# KiCad board paws-60-pcb.kicad_pcb (continued)
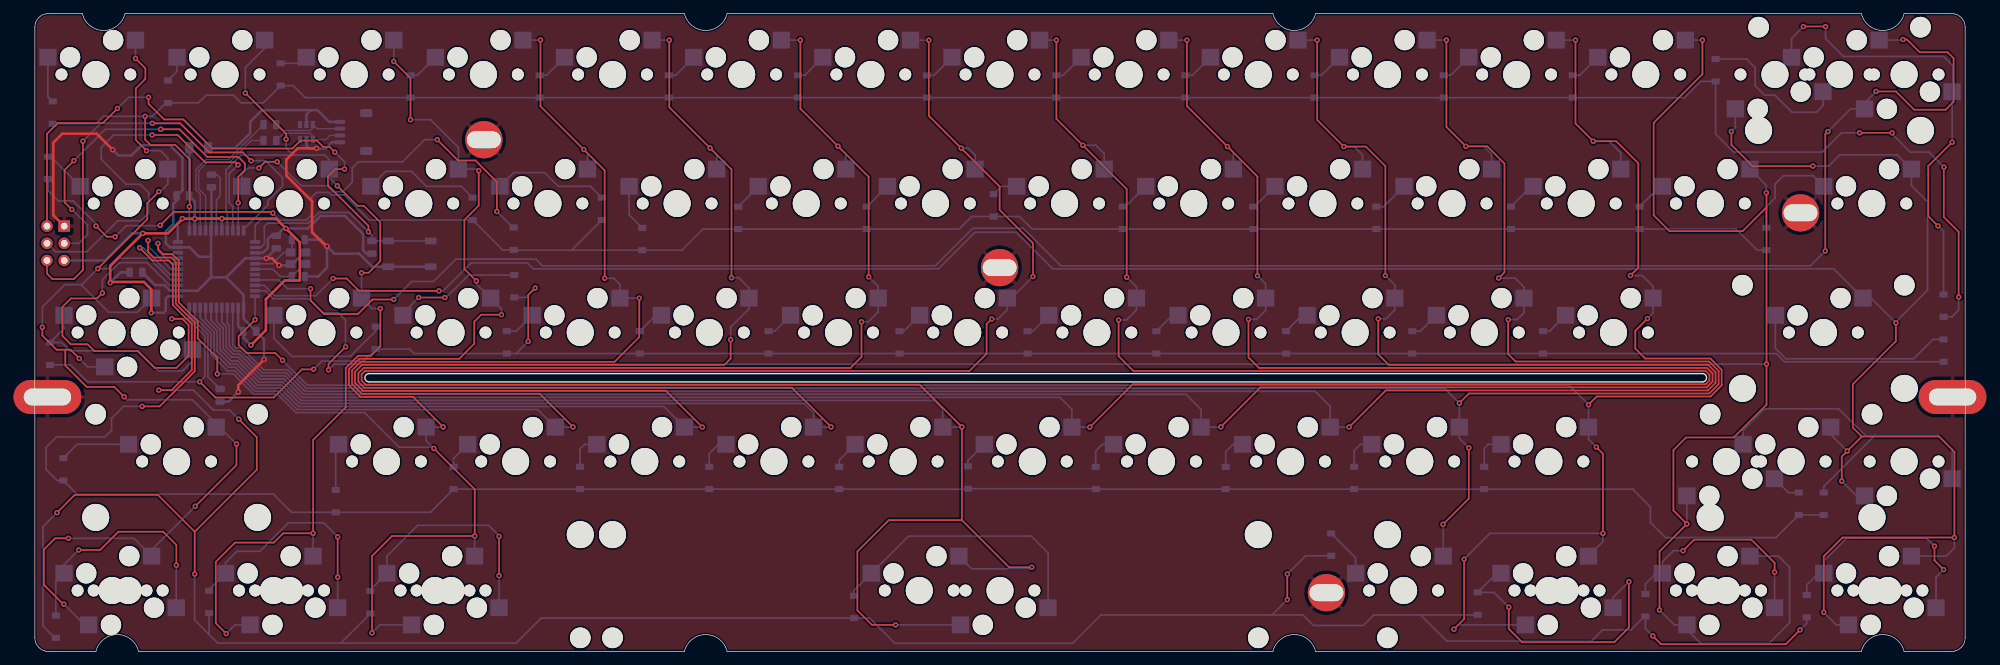
[diagram p0: board, top side]
## Routing (per net, layer and track width the routed paths; a pad name or vN(x,y) marks a point on that pad's centre or on a via; arc(x,y) is an arc through that point)
+5V: length 139.4
  Top w0.381: v1(31.87,45.23) 34.08,47.44 34.08,52.02 36.84,54.78 39.07,54.78 39.07,60.42 v1(37.04,62.46) 35.59,63.91 25.36,63.91 25.35,63.89 21.79,63.89 19.63,61.74 v1(15.91,61.74) 11.11,56.94 v1(11.11,54.45) 11.22,54.56 16.08,54.56 17.17,53.47 v1(17.17,50.01) ; v1(23.58,63.9) 23.6,63.92 v1(27.58,63.92)
  Bottom w0.381: U2.24 29.98,48.05 C3.1 30.76,46.34 v1(31.87,45.23) ; U2.34 19.66,52.46 19.3,52.1 19.3,50.31 19,50.01 v1(17.17,50.01) ; 22.77,70.04 22.76,70.05 ; 22.77,70.04 22.78,70.04 F1.1 ; 22.77,70.04 C4.1 23.58,66.46 U2.2 ; U2.7 27.58,63.91 v1(27.58,63.92) ; J2.2 10.25,57.73 14.25,61.74 v1(15.91,61.74) ; R4.2 48.91,58.74 48.41,59.24 48.41,61.63 45.72,64.32 42.12,64.32 40.26,62.46 v1(37.04,62.46) 36.67,62.46 C1.1 34.86,61.39 34.36,60.9 34.36,59.61 33.61,58.86 U2.14 ; v1(21.76,63.93) 21.08,63.25 U2.44 ; C2.1 12.65,55.99 v1(11.11,54.45)
GND: length 178
  Top w0.381: v1(41.55,74.3) 38.77,74.3 37.09,72.62 37.09,70.27 40.89,66.47 40.89,61.9 42.96,59.83 v1(43.09,59.83) ; v1(36.02,57.01) 34.97,58.06 v1(34.15,58.06) ; J2.6 2.72,64.42 2.72,75.14 4.04,76.46 9.11,76.46 v1(11.48,74.09) ; v1(30,38.32) 30,39.31 v1(33.81,43.12)
  Bottom w0.381: C5.1 42.14,60.8 43.09,59.86 43.09,56.68 41.78,55.37 C7.1 ; 28.21,55.23 25.99,55.23 25.98,55.24 ; 28.21,55.23 31.04,58.06 U2.15 v1(34.15,58.06) C1.2 ; 28.21,55.23 30.78,52.66 U2.23 30.78,49.12 C3.2 33.79,46.11 33.79,43.13 v1(33.81,43.12) ; C6.2 26.05,62.23 U2.5 25.98,58.28 ; C2.2 17.74,54.1 19.11,54.1 19.95,53.26 U2.35 24,53.26 25.98,55.24 ; v1(36.02,57.01) 37.51,57.01 ; U1.2 40.05,74.69 40.45,74.3 v1(41.55,74.3) 41.59,74.25 42.88,74.25 43.83,75.2 J1.4 ; 25.98,58.28 25.98,55.24 ; 25.98,58.28 24.21,58.28 22.83,59.66 U2.43 19.95,59.66 19.33,60.28 19.33,62.04 20.41,63.12 20.41,66.09 20.9,66.57 C4.2 21.77,68.14 21.77,72.92 19.95,74.73 15.73,74.73 14.23,73.24 12.32,73.24 v1(11.48,74.09) ; 39.73,58.93 38.03,57.23 Y1.2 ; R3.1 28.58,36.9 v1(30,38.32) ; v1(43.09,59.83) 44.18,58.74 47.83,58.74 47.83,58.74 49.76,56.82 SW1.1 SW1.1
VBUS: length 25.8
  Bottom w0.381: F1.2 29.61,74.39 31.76,76.54 31.76,78.21 33.49,79.94 40.7,79.94 ; 40.7,79.94 41.67,79.94 43.42,78.2 J1.1 ; 40.7,79.94 40.05,79.29 U1.5
/MCU_D+: length 20.7
  Bottom w0.2: R1.1 31.93,75.45 28.71,72.23 25.4,72.23 24.17,71 24.17,68.32 25.18,67.31 U2.4
/MCU_D-: length 22
  Bottom w0.2: U2.3 24.38,67.54 23.77,68.16 23.77,71.16 25.23,72.63 28.54,72.63 31.96,76.04 31.97,76.04 R2.1
COL0: length 181.3
  Top w0.25: v1(29.73,30.63) 29.73,27.52 v1(23.65,21.44) ; v1(14.84,87.56) 16.29,86.11 16.29,84.54 14.88,83.13 14.88,77.67 14.88,77.67 14.88,75.53 v1(16.47,73.94) ; 4.49,44.55 3.2,44.55 1.1,46.65 v1(1.1,47.86) ; 4.49,44.55 5.25,44.55 v1(6.54,43.26) ; 4.49,44.55 4.49,42.21 7.64,39.05 11.73,39.05 v1(13.17,37.61) ; v1(4.96,16.71) 2.97,16.71 1.33,15.07 1.33,9.84 4.19,6.99 v1(4.27,6.99) ; v1(9.29,56.54) 16.58,63.82 16.58,66.19 v1(18.29,67.91)
  Bottom w0.25: v1(6.54,43.26) 7.78,42.02 MX32.2 ; MX31.2 15.14,50.09 10.89,50.09 6.88,54.11 6.88,54.16 ; v1(1.1,47.86) 1.1,50.88 4.38,54.16 6.88,54.16 ; 7.34,3.92 v1(4.27,6.99) ; v1(4.96,16.71) 14.6,16.71 MX59.2 17.22,15.01 v1(23.65,21.44) ; U2.37 20.08,54.86 16.86,58.09 12.43,58.09 10.88,56.54 v1(9.29,56.54) 6.91,54.16 6.88,54.16 ; v1(13.17,37.61) 13.62,37.16 23.24,37.16 26.75,33.65 MX45.2 27.24,33.13 v1(29.73,30.63) ; v1(18.29,67.91) 18.5,67.91 19.6,69.02 MX17.2 19.6,72.86 18.52,73.94 v1(16.47,73.94) ; MX67.2 7.33,3.92 ; MX1.2 14.84,87.68
COL1: length 149.1
  Top w0.25: v1(48.19,55.91) 49.21,55.91 50.94,57.64 50.94,63.38 48.52,65.81 47.57,65.81 v1(44.61,68.77) ; v1(28.22,2.63) 26.68,4.17 26.68,13.24 29.52,16.07 35.25,16.07 36.62,17.45 v1(41.04,17.45) 41.04,20.94 41.04,20.94 41.04,31.23 45.86,36.05 45.86,41.85 47.67,43.67 49.56,43.67 50.95,45.06 v1(50.95,50.64) ; v1(31.05,82.46) 37.05,76.46 v1(37.05,75.64)
  Bottom w0.25: 38.08,73.3 37.05,74.33 v1(37.05,75.64) ; 38.08,73.3 42.75,73.3 43.42,72.63 MX18.2 43.42,69.96 v1(44.61,68.77) ; 38.08,73.3 37.99,73.39 ; 38.08,73.3 30.38,73.3 28.21,71.13 28.21,70.73 28.2,70.72 28.2,65.14 28.38,64.95 U2.8 ; MX60.2 41.04,17.45 v1(41.04,17.45) ; v1(28.22,2.63) 29.51,3.92 31.73,3.92 ; MX2.2 33.89,89.08 31.05,86.23 v1(31.05,82.46) ; v1(50.95,50.64) 49.72,50.64 MX33.2 48.18,55.91 v1(48.19,55.91)
COL2: length 222.1
  Top w0.25: v1(18.15,60.25) 18.15,59.43 18.91,58.67 20.26,58.67 21.23,57.7 21.23,51.54 24.03,48.74 24.03,46.22 26.91,43.35 v1(26.91,40.98) ; v1(65.11,54.71) 63.35,56.48 63.35,63.72 65.46,65.83 v1(65.46,70.99) ; v1(55.4,78.52) 55.4,84.65 v1(52.93,87.13) ; v1(60.22,33.15) 55.77,37.6 48.02,37.6 46.32,39.3 46.32,41.68 47.86,43.22 62.59,43.22 64.8,45.43 64.8,48.7 65.82,49.73 v1(68.81,49.73) ; v1(58.84,29.99) 64.88,23.95 v1(64.88,17.05) 52.67,17.05 49.72,14.09 v1(49.72,2.73)
  Bottom w0.25: v1(18.15,60.25) 18.15,59.24 20.13,57.26 U2.40 ; MX69.2 50.91,3.92 v1(49.72,2.73) ; v1(65.11,54.71) 65.11,54.3 MX34.2 68.81,50.6 v1(68.81,49.73) ; v1(65.46,70.99) 65.22,71.23 MX19.2 62.47,74.41 58.36,78.52 v1(55.4,78.52) ; v1(52.93,87.13) 52.94,87.14 MX3.2 ; v1(64.88,17.05) 64.85,17.02 MX61.2 ; 29.27,40.98 v1(26.91,40.98) ; 29.25,41 32.28,37.97 35.8,37.97 38.5,35.27 48.62,35.27 53.72,30.17 58.66,30.17 ; v1(60.22,33.15) 60.2,33.13 MX46.2 57.7,31.12 v1(58.84,29.99)
COL3: length 205.5
  Top w0.25: v1(79.37,33.15) 74.47,38.05 48.21,38.05 46.77,39.49 46.77,41.5 48.05,42.77 85.49,42.77 89.14,46.43 v1(89.14,52.18) ; v1(74.57,90.3) 74.57,80.51 84.04,71.04 v1(84.04,55.11)
  Bottom w0.25: v1(80.96,74.12) 81.52,73.56 MX20.2 ; v1(84.04,55.11) 85.37,55.11 86.28,54.2 MX35.2 v1(89.14,52.18) ; v1(79.37,33.15) 79.35,33.13 MX47.2 74.16,35.72 38.69,35.72 35.99,38.42 32.47,38.42 29.44,41.45 28.42,41.45 28.4,41.43 25.97,43.86 25.97,46.99 23.58,49.38 U2.32 ; v1(74.57,90.3) 74.55,90.28 MX4.2
COL4: length 255.5
  Top w0.25: v1(102.62,46.05) 102.62,43.25 101.69,42.32 48.23,42.32 47.22,41.31 47.22,39.67 48.4,38.5 93.07,38.5 v1(98.45,33.12) ; v1(102.75,55.19) 102.75,71.18 v1(99.59,74.34) 93.57,80.36 v1(93.57,90.28)
  Bottom w0.25: v1(102.62,46.05) 102.62,46.05 102.62,47.89 105.33,50.6 MX36.2 105.33,53.68 103.82,55.19 v1(102.75,55.19) ; MX5.2 v1(93.57,90.28) ; v1(98.45,33.12) 98.44,33.13 MX48.2 92.76,36.17 38.89,36.17 36.17,38.88 36.16,38.87 32.65,38.87 29.53,41.99 28.56,41.99 26.42,44.13 26.42,47.17 25.12,48.48 25.12,48.5 24.38,49.23 U2.31 ; MX21.2 100.57,73.36 v1(99.59,74.34)
COL5: length 312.4
  Top w0.25: v1(112.91,90.28) 112.91,80.14 v1(118.45,74.61) 122.98,70.08 v1(122.98,55.31) ; v1(121.92,48.68) 121.92,43.5 120.29,41.87 48.49,41.87 47.72,41.1 47.72,39.81 48.58,38.95 111.65,38.95 117.44,33.15 v1(117.44,33.15)
  Bottom w0.25: v1(122.98,55.31) 124.38,53.91 MX37.2 124.38,50.15 122.91,48.68 v1(121.92,48.68) ; v1(117.44,33.15) 117.43,33.13 MX49.2 114.85,35.25 113.48,36.62 39.07,36.62 36.36,39.33 32.83,39.33 29.72,42.44 28.76,42.44 26.87,44.33 26.87,47.38 25.18,49.07 U2.30 ; MX6.2 v1(112.91,90.28) ; v1(118.45,74.61) 119.62,73.44 MX22.2
COL6: length 452.6
  Top w0.25: v1(147.03,12.42) 143.69,12.42 136.73,19.39 ; 136.73,19.39 v1(136.73,33.15) 130.47,39.4 48.77,39.4 48.19,39.98 48.19,40.93 48.68,41.42 137.83,41.42 140.37,43.97 140.37,48.35 v1(141.12,49.09) ; 136.73,19.39 125.94,19.39 121.31,14.76 121.31,6.06 123.45,3.92 v1(126.95,3.92) ; v1(147.22,55.37) 147.22,60.28 142.29,65.21 142.29,68.66 v1(136.63,74.33) 131.85,79.11 v1(131.85,90.28)
  Bottom w0.25: v1(136.63,74.33) 137.65,74.33 138.67,73.31 MX23.2 ; v1(136.73,33.15) 136.71,33.13 MX50.2 133.9,35.77 132.6,37.07 39.26,37.07 36.55,39.78 33.01,39.78 29.9,42.89 28.97,42.89 27.32,44.54 27.32,47.56 25.98,48.9 U2.29 ; MX7.2 v1(131.85,90.28) ; v1(147.03,12.42) 146.8,12.19 138.17,12.19 MX62.2 ; MX70.2 v1(126.95,3.92) ; v1(141.12,49.09) 142.05,49.09 143.43,50.47 MX38.2 144.03,52.18 v1(147.22,55.37)
COL7: length 385.8
  Top w0.25: v1(161.04,55.27) 161.04,68.28 v1(154.57,74.75) 150.67,78.64 v1(150.67,90.28) ; v1(159.84,48.95) 159.84,43.6 162.02,41.42 246.43,41.42 246.99,40.86 246.99,40.04 246.4,39.45 161.92,39.45 v1(155.6,33.12)
  Bottom w0.25: v1(155.6,33.12) 155.59,33.13 MX51.2 152.95,35.75 151.18,37.52 39.45,37.52 36.73,40.23 33.2,40.23 29.96,43.47 29.02,43.47 27.77,44.72 27.77,47.75 26.78,48.74 U2.28 ; v1(154.57,74.75) 156.49,74.75 157.72,73.52 MX24.2 ; v1(161.04,55.27) 162.48,53.82 MX39.2 162.48,50.42 161,48.95 v1(159.84,48.95) ; MX8.2 v1(150.67,90.28)
COL8: length 364.9
  Top w0.25: v1(169.92,90.28) 169.92,80.54 v1(175.9,74.56) 180.32,70.14 v1(180.32,55.48) ; v1(174.93,33.16) 180.76,39 246.59,39 247.44,39.85 247.44,41.04 246.62,41.87 180.56,41.87 179,43.43 v1(179,49.04)
  Bottom w0.25: U2.27 27.58,48.59 28.22,47.95 28.22,44.92 29.22,43.92 30.15,43.92 33.38,40.68 36.92,40.68 39.63,37.97 169.78,37.97 172,35.75 MX52.2 174.9,33.13 v1(174.93,33.16) ; v1(179,49.04) 180.21,49.04 181.53,50.36 MX40.2 181.53,54.27 v1(180.32,55.48) ; MX9.2 v1(169.92,90.28) ; MX25.2 176.77,73.69 v1(175.9,74.56)
COL9: length 349.8
  Top w0.25: v1(189.13,90.28) 189.13,78.49 v1(193.06,74.56) 193.07,74.55 196.31,74.55 199.19,71.67 v1(199.19,55.51) ; v1(193.84,33.14) 199.25,38.55 246.77,38.55 247.89,39.67 247.89,41.23 246.8,42.32 199.69,42.32 198.14,43.86 v1(198.14,49.13)
  Bottom w0.25: v1(193.06,74.56) 193.08,74.54 194.61,74.54 195.82,73.33 MX26.2 ; v1(198.14,49.13) 199.26,49.13 200.58,50.45 MX41.2 200.58,54.12 v1(199.19,55.51) ; MX10.2 v1(189.13,90.28) ; v1(193.84,33.14) 193.83,33.13 MX53.2 191.05,36.17 188.81,38.42 39.82,38.42 37.11,41.13 33.57,41.13 30.33,44.37 29.41,44.37 28.67,45.11 28.67,48.15 28.38,48.44 U2.26
COL10: length 354.3
  Top w0.25: v1(207.7,18.78) 211.5,22.57 v1(211.5,30.07) ; v1(210.1,36.68) 211.53,38.1 246.96,38.1 248.34,39.48 248.34,41.41 246.94,42.82 218.4,42.82 217.3,43.92 217.3,48.98 v1(217.32,49) ; v1(208.19,90.28) 208.19,77.46 v1(211.06,74.59) 214.21,74.59 216.76,72.03 216.76,56 v1(215.9,55.14)
  Bottom w0.25: v1(211.06,74.59) 213.7,74.59 214.87,73.42 MX27.2 ; MX11.2 v1(208.19,90.28) ; MX63.2 207.72,18.82 ; U2.25 29.18,45.24 29.6,44.82 30.52,44.82 33.76,41.58 37.29,41.58 40.01,38.87 207.91,38.87 v1(210.1,36.68) MX54.2 210.1,31.46 v1(211.5,30.07) ; v1(215.9,55.14) 218.32,55.14 219.63,53.82 MX42.2 219.63,50.01 218.62,49 v1(217.32,49)
COL11: length 381.5
  Top w0.25: v1(210.8,13.64) 210.8,4.78 v1(209.3,3.28) ; v1(229.15,36.44) 230.36,37.65 247.15,37.65 248.79,39.29 248.79,41.6 247.13,43.26 237.51,43.26 236.05,44.72 236.05,47.36 v1(237.85,49.16) ; v1(235.34,55.52) 236.49,56.67 236.49,72.09 233.24,75.34 v1(229.85,75.34) 227.22,77.97 v1(227.22,90.28) ; v1(230.3,30.18) 231.28,29.2 v1(231.28,17.44) ; v1(32.49,49) 30.06,46.57 30.06,45.23 31.22,44.07 35.45,44.07 v1(36.52,43)
  Bottom w0.25: MX71.2 231.28,16.21 v1(231.28,17.44) 214.6,17.44 v1(210.8,13.64) ; v1(209.3,3.28) 209.94,3.92 MX64.2 ; v1(36.52,43) 36.52,42.99 40.19,39.32 226.27,39.32 v1(229.15,36.44) MX55.2 229.15,31.32 v1(230.3,30.18) ; v1(237.85,49.16) 238.68,49.99 MX43.2 238.68,53.91 237.07,55.52 v1(235.34,55.52) ; U2.22 32.48,49 v1(32.49,49) ; MX12.2 v1(227.22,90.28) ; MX28.2 233.92,73.61 232.18,75.34 v1(229.85,75.34)
COL12: length 406.6
  Top w0.25: v1(239.62,6.12) 239.62,14.78 v1(243.66,18.83) 241.68,20.82 241.68,29.73 243.55,31.61 250.58,31.61 255.4,36.43 v1(255.4,42.43) 255.4,65.54 ; 255.4,65.54 255.38,65.57 251.88,62.07 241.1,62.07 238.76,64.41 238.76,78.06 245.95,85.25 v1(245.95,90.28) ; 255.4,65.54 255.4,67.7 v1(255.38,67.73) ; v1(45.84,44.99) 43.32,42.47 v1(43.32,41.59)
  Bottom w0.25: v1(239.62,6.12) 241.82,3.92 MX65.2 243.66,3.22 245.66,1.22 255.81,1.22 258.81,4.23 258.81,12.42 257.15,14.08 MX72.2 ; v1(45.84,44.99) 45.81,45.02 45.81,48.94 44.73,50.02 42.43,50.02 40.36,52.09 35.15,52.09 33.97,53.26 U2.21 ; v1(255.4,42.43) 44.16,42.43 v1(43.32,41.59) ; v1(255.38,67.73) 255.38,67.73 255.38,68.82 MX29.2 ; MX13.2 v1(245.95,90.28) ; MX56.2 v1(243.66,18.83)
COL13: length 420.3
  Top w0.25: v1(274.49,48.53) 274.49,45.83 268.13,39.47 268.13,33.07 269.46,31.74 ; 269.46,31.74 v1(267.33,29.6) 266.5,28.78 v1(266.5,25.16) ; 269.46,31.74 280.85,31.74 283.12,29.47 v1(283.12,16.82) 283.12,16.82 266.62,16.82 263.85,14.05 v1(263.85,5.78) ; v1(262.25,71.67) 253.36,71.67 250.22,74.81 v1(250.22,76.78) ; v1(59.61,53.25) 47.81,53.25 45.98,55.08 v1(43.98,55.08)
  Bottom w0.25: 274.32,48.51 279.16,53.35 279.16,66.41 276.78,68.79 MX30.2 274.67,73.34 266.24,73.34 264.57,71.67 v1(262.25,71.67) ; v1(266.5,25.16) 268.7,22.97 MX57.2 ; v1(263.85,5.78) 265.71,3.92 MX66.2 ; v1(283.12,16.82) 283.12,15.29 281.91,14.08 MX73.2 ; v1(43.98,55.08) 41.44,52.54 35.33,52.54 33.81,54.06 U2.20 ; MX58.2 264.87,32.05 v1(267.33,29.6) ; v1(274.49,48.53) 270.83,52.18 MX44.2 265.32,56.5 150.13,56.5 144.73,61.9 138.66,61.9 133.27,56.5 73.54,56.5 72.67,57.37 64.34,57.37 60.22,53.25 v1(59.61,53.25) ; v1(250.22,76.78) 250.81,77.37 MX14.2
COL14: length 303.5
  Top w0.25: v1(264.08,59.14) 264.08,76.39 v1(264.46,76.77) ; v1(271.56,82.7) 274.48,82.7 277.19,80 281.83,80 283,81.17 283,87.59 282.1,88.49 278.01,88.49 276.12,90.37 v1(275.55,90.37) ; v1(52.93,51.98) 49.8,51.98 47.64,49.82 42.69,49.82 40.66,51.85 v1(40.66,53.57)
  Bottom w0.25: v1(275.55,90.37) 275.46,90.28 MX16.2 ; U2.19 35.97,54.86 37.26,53.57 v1(40.66,53.57) ; v1(264.46,76.77) 267.81,80.12 MX15.2 269.86,80.99 v1(271.56,82.7) ; v1(264.08,59.14) 261.89,56.95 151.33,56.95 145.78,62.5 138.35,62.5 132.8,56.95 74.88,56.95 73.88,57.94 62.1,57.94 58.79,54.63 55.58,54.63 v1(52.93,51.98)
D+: length 10.8
  Bottom w0.2: R1.2 36.67,76.53 40.59,76.53 41,76.11 U1.1 42.93,75.61 43.53,76.2 J1.3
D-: length 10.7
  Bottom w0.2: J1.2 41.61,77.2 U1.6 41,77.3 40.63,76.93 36.46,76.93 R2.2
MISO: length 71.3
  Top w0.25: v1(7.09,75.36) 7.09,56.34 5.73,54.98 2.6,54.98 1.78,55.8 J2.1 ; v1(17.34,77.99) 21.43,77.99 25.72,73.7 30.66,73.7 v1(31.9,72.46)
  Bottom w0.25: 31.96,72.72 31.9,72.66 ; U2.11 30.78,62.35 34.37,65.93 34.37,66.56 36.52,68.71 36.52,69.98 34.04,72.46 v1(31.9,72.46) ; v1(17.34,77.99) 9.72,77.99 v1(7.09,75.36)
MOSI: length 56.5
  Top w0.25: v1(5.45,65.27) 4.41,66.31 4.38,66.31 4.38,71.11 4.4,71.11 v1(5.77,72.48) ; v1(18.57,77.11) 21.33,77.11 25.42,73.03 30.02,73.03 30.98,72.07 30.98,71.07 29.98,70.08 29.98,66.26 v1(29.98,66.25)
  Bottom w0.25: J2.4 6.51,60.27 7.77,61.53 7.77,62.98 5.48,65.27 v1(5.45,65.27) ; v1(18.57,77.11) 10.38,77.11 9.55,76.28 9.55,76.26 v1(5.77,72.48) ; U2.10 29.98,66.25 v1(29.98,66.25)
ROW0: length 342.6
  Top w0.25: v1(283.74,52.33) 283.74,61.96 281.55,64.15 281.55,71.51 v1(281.57,71.53) ; v1(269.14,76.59) v1(273.94,76.59) ; v1(22.78,65.69) 22.85,65.75 22.85,72.66 20.72,74.79 17.07,74.79 16.26,75.59 v1(16.26,79.01)
  Bottom w0.25: D1.1 9,77.92 10.08,79.01 v1(16.26,79.01) 17.33,79.01 19.33,81.01 D2.1 24.1,81.01 25.24,82.14 29.29,82.14 30.43,81.01 33.7,81.01 D3.1 38.11,83.56 39.89,81.78 D4.1 D5.1 D6.1 D7.1 D8.1 D9.1 D10.1 D11.1 D12.1 D13.1 243.3,81.78 245.69,84.18 D14.1 247.9,76.42 250.56,73.75 263.63,73.75 266.47,76.59 v1(269.14,76.59) ; v1(273.94,76.59) 273.94,76.4 276.59,73.75 279.35,73.75 v1(281.57,71.53) ; D15.1 282.73,49.42 283.74,50.43 v1(283.74,52.33) ; U2.1 22.78,65.69 v1(22.78,65.69)
ROW1: length 283.7
  Top w0.25: v1(11.84,61.24) 10.6,61.24 v1(9.01,62.83) ; v1(35.09,64.75) 34.93,64.91 20.47,64.91 v1(18.48,62.93)
  Bottom w0.25: U2.12 32.48,62.92 33.27,63.71 40.05,63.71 40.82,64.48 40.82,67.1 41.51,67.78 43.43,67.78 43.8,67.42 45.59,67.42 49.3,63.71 D18.1 68.96,59.31 D17.1 70.67,59.25 D20.1 95.41,59.25 98.54,62.38 D21.1 136.36,62.38 138.2,64.23 D23.1 145.23,64.23 147.08,62.38 D28.1 250.92,62.38 254.04,59.26 D29.1 ; 79.21,59.31 D19.1 ; D16.1 1.97,68.04 3.48,66.53 5.65,66.53 9.01,63.16 v1(9.01,62.83) ; v1(18.48,62.93) 18.43,62.88 13.48,62.88 v1(11.84,61.24) ; v1(35.09,64.75) 36.13,63.71
ROW2: length 367.8
  Top w0.25: v1(24.3,39.83) 26.63,37.5 35.23,37.5 39.39,41.65 41.09,41.65 v1(41.12,41.68) ; v1(72.76,45.78) 72.76,52.63 v1(73.8,53.67) ; v1(9.96,52.94) 9.15,52.13 5.32,52.13 4.06,50.87 4.06,46.6 5.29,45.36 7.77,45.36 8.78,44.35 15.17,44.35 17.65,41.88 20.88,41.88 22.68,43.68 22.68,48.18 21.74,49.13 v1(20.2,49.13)
  Bottom w0.25: U2.36 19.88,54.06 16.53,57.41 12.46,57.41 9.96,54.91 v1(9.96,52.94) ; v1(72.76,45.78) 70.97,44 ; v1(73.8,53.67) 72.41,52.28 D32.1 ; v1(20.2,49.13) 22.56,49.13 25.07,46.61 25.07,40.61 v1(24.3,39.83) 18.81,39.83 18.81,39.83 7.76,39.83 5.27,42.32 D30.1 ; D42.1 258.07,42.77 256.84,44 D33.1 55.93,44 55.27,44.66 D31.1 48.5,42.88 42.32,42.88 v1(41.12,41.68)
ROW3: length 333.3
  Top w0.25: v1(16.7,60.69) 16.7,59.01 17.54,58.17 20.12,58.17 20.78,57.51 20.78,51.35 23.58,48.55 23.58,41.38 18.4,36.19 v1(15.82,36.19)
  Bottom w0.25: v1(15.82,36.19) 13.08,36.19 11.31,34.42 11.31,32.65 10.34,31.68 3.18,31.68 1.65,30.16 1.65,26.88 3.29,25.24 D43.1 6.2,23.23 35.17,23.23 37.86,20.55 D44.1 58.33,20.55 D45.1 D46.1 D47.1 D48.1 137.56,23.97 D49.1 156.4,24.04 D50.1 D51.1 D52.1 D53.1 235.77,23.97 235.77,23.85 238.29,21.33 238.29,19.04 240.51,16.81 256.8,16.81 D54.1 D55.1 ; v1(16.7,60.69) 16.7,59.84 20.08,56.46 U2.39
ROW4: length 413.7
  Top w0.25: v1(260.36,3.19) 258.25,1.08 239.84,1.08 v1(238.63,2.29) ; 23.58,17.68 32.73,26.84 32.73,31.63 v1(30.08,34.29) ; 23.58,17.68 18.14,23.12 5.88,23.12 v1(3.25,20.5) ; 23.58,17.68 v1(23.58,11.44) ; v1(15.46,59.62) 17.35,57.72 19.78,57.72 20.33,57.17 20.33,51.17 23.13,48.37 23.13,41.56 20.16,38.59 v1(18.27,38.59) ; v1(184.72,11.44) v1(184.72,7.65)
  Bottom w0.25: D63.1 261.35,4.18 v1(260.36,3.19) ; 25.69,2.5 26.96,1.23 45.11,1.23 ; 25.69,2.5 23.55,4.64 23.55,11.41 v1(23.58,11.44) ; 25.69,2.5 D57.1 ; v1(30.08,34.29) 28.71,35.65 26.32,35.65 23.39,38.59 v1(18.27,38.59) ; 182.46,5.39 187.04,5.39 188.59,3.84 195.92,3.84 197.47,5.39 212.77,5.39 D61.1 ; 182.46,5.39 157.23,5.39 153.05,1.21 126.84,1.21 123.13,4.92 D59.1 74.66,4.92 70.98,1.23 45.11,1.23 ; 182.46,5.39 v1(184.72,7.65) ; v1(3.25,20.5) 1.19,18.44 1.19,3.76 2.94,2.01 D56.1 ; 45.11,1.23 D58.1 ; v1(238.63,2.29) 237.54,3.38 D62.1 237.39,5.18 235.39,3.17 231.21,3.17 229.58,1.54 208.24,1.54 204.39,5.39 ; D60.1 187.41,14.13 v1(184.72,11.44) ; U2.38 19.92,55.66 18.05,57.52 18.05,57.54 15.98,59.62 v1(15.46,59.62)
RST: length 111.8
  Top w0.25: J2.5 1.78,76.44 3.38,78.04 10.04,78.04 12.19,80.18 v1(12.19,80.19) ; v1(45.68,71.23) 44.32,71.23 43.22,70.13 43.22,68.82 49.2,62.84 v1(49.2,61.96) ; v1(44.26,73.73) 43.5,74.48 42.55,74.48 41.59,75.44 39.19,75.44 38.01,74.27 26.19,74.27 21.89,78.57 19.06,78.57 16.76,80.87 v1(16.76,81.83)
  Bottom w0.25: U2.13 33.36,59.66 33.85,60.15 33.85,62.77 34.34,63.26 40.33,63.26 41.91,64.84 46.33,64.84 v1(49.2,61.96) 49.71,61.45 R4.1 49.71,60.62 SW1.2 SW1.2 ; 16.76,81.7 v1(16.76,81.83) 13.83,81.83 v1(12.19,80.19) ; v1(45.68,71.23) 45.68,72.31 v1(44.26,73.73)
SCK: length 64.9
  Top w0.25: v1(17.29,76.26) 21.07,76.26 25.09,72.23 29.58,72.23 v1(29.96,71.85)
  Bottom w0.25: J2.3 3.03,59.03 7.66,59.03 12.2,63.57 15.6,63.57 16.79,64.75 16.79,67.77 15.56,68.99 13.47,68.99 9.79,72.68 9.79,74.43 11.61,76.26 v1(17.29,76.26) ; v1(29.96,71.85) 28.65,70.54 28.65,66.28 29.18,65.74 U2.9
XTAL1: length 8.7
  Bottom w0.25: U2.17 35.09,56.46 36.18,55.37 C7.2 39.77,57.23 Y1.1
XTAL2: length 7.6
  Bottom w0.25: Y1.3 36.7,58.93 35.04,57.26 U2.16 ; 37.92,60.37 37.92,58.69
Net-(C6-Pad1): length 9.5
  Bottom w0.25: C6.1 26.84,70.41 27.33,69.92 27.33,67.25 26.78,66.7 U2.6
Net-(D1-Pad2): length 6.8
  Bottom w0.25: MX1.1 1.92,81.95 D1.2
Net-(D2-Pad2): length 4
  Bottom w0.25: D2.2 20.96,85.66 MX2.1
Net-(D3-Pad2): length 4.1
  Bottom w0.25: D3.2 39.13,86.86 MX3.1
Net-(D4-Pad2): length 4.8
  Bottom w0.25: D4.2 56.41,85.08 59.06,87.74
Net-(D5-Pad2): length 4.8
  Bottom w0.25: MX5.1 75.46,85.08 D5.2
Net-(D6-Pad2): length 4.8
  Bottom w0.25: D6.2 94.51,85.08 MX6.1
Net-(D7-Pad2): length 4.8
  Bottom w0.25: MX7.1 113.56,85.08 D7.2
Net-(D8-Pad2): length 4.8
  Bottom w0.25: MX8.1 132.61,85.08 D8.2
Net-(D9-Pad2): length 4.8
  Bottom w0.25: D9.2 151.66,85.08 MX9.1
Net-(D10-Pad2): length 4.8
  Bottom w0.25: MX10.1 170.71,85.08 D10.2
Net-(D11-Pad2): length 4.8
  Bottom w0.25: D11.2 189.76,85.08 MX11.1
Net-(D12-Pad2): length 4.8
  Bottom w0.25: MX12.1 208.81,85.08 D12.2
Net-(D13-Pad2): length 4.8
  Bottom w0.25: MX13.1 227.86,85.08 D13.2
Net-(D14-Pad2): length 23.1
  Bottom w0.25: 263.74,82.66 263.74,80.6 262.76,79.63 259.16,79.63 256.63,82.15 255.11,82.15 253.73,83.53 253.73,86.21 252.47,87.48 D14.2
Net-(D15-Pad2): length 66.9
  Top w0.25: v1(280.69,62.84) 279.27,64.27 279.27,70.24 279.25,70.26 279.25,71.66 v1(282.79,75.2) ; v1(264.12,92.27) 264.1,92.29 260.87,92.29 v1(260.84,92.27)
  Bottom w0.25: v1(280.69,62.84) 281.52,62.02 D15.2 ; v1(282.79,75.2) MX15.1 282.79,86.61 281.53,87.87 266.74,87.87 264.12,90.49 v1(264.12,92.27) ; v1(260.84,92.27) 259.09,90.52 MX16.1
Net-(D16-Pad2): length 6.5
  Bottom w0.25: D16.2 2.32,73.05 MX17.1
Net-(D17-Pad2): length 56.8
  Top w0.25: v1(33.03,71.4) 33.95,72.31 v1(35.73,72.31) ; v1(59.35,75.57) 62.42,72.5 64.97,72.5 68.14,69.33 v1(68.14,64.96)
  Bottom w0.25: v1(35.73,72.31) 39.27,68.77 43.08,68.77 43.99,67.87 45.38,67.87 46.82,69.31 46.82,71.4 47.72,72.3 54.24,72.3 57.51,75.57 v1(59.35,75.57) ; MX18.1 30.49,70.41 31.47,71.4 v1(33.03,71.4) ; v1(68.14,64.96) 70.5,62.61 D17.2
Net-(D18-Pad2): length 17.6
  Bottom w0.25: D18.2 62.88,68.69 57.76,68.69 55.55,70.9 51.75,70.9 MX19.1
Net-(D19-Pad2): length 17.4
  Bottom w0.25: D19.2 81.93,68.69 77.2,68.69 75.17,70.72 70.63,70.72 68.61,68.69 MX20.1
Net-(D20-Pad2): length 6.9
  Bottom w0.25: D20.2 87.64,64.48 MX21.1
Net-(D21-Pad2): length 4.2
  Bottom w0.25: D21.2 106.69,68.64 MX22.1
Net-(D22-Pad2): length 4.3
  Bottom w0.25: MX23.1 122.73,65.68 D22.2
Net-(D23-Pad2): length 3.9
  Bottom w0.25: MX24.1 142.58,68.69 D23.2
Net-(D24-Pad2): length 4.6
  Bottom w0.25: D24.2 160.83,65.68 MX25.1
Net-(D25-Pad2): length 4.4
  Bottom w0.25: D25.2 179.88,65.68 MX26.1
Net-(D26-Pad2): length 5.3
  Bottom w0.25: MX27.1 198.93,65.68 D26.2
Net-(D27-Pad2): length 4.5
  Bottom w0.25: D27.2 220.72,68.69 MX28.1
Net-(D28-Pad2): length 4.6
  Bottom w0.25: D28.2 239.71,68.69 MX29.1
Net-(D29-Pad2): length 15.3
  Bottom w0.25: MX30.1 262.3,70.25 257.9,70.25 256.65,69 256.65,66.95 255.38,65.67 D29.2
Net-(D30-Pad2): length 29.9
  Bottom w0.25: MX31.1 4.3,47.68 D30.2 3.93,45.62 5.16,44.39 15.28,44.39 18.23,41.44 21.79,41.44 23.23,42.88 MX32.1
Net-(D31-Pad2): length 21.7
  Bottom w0.25: MX33.1 35.25,46.23 37.9,43.58 46.53,43.58 50.27,47.32 D31.2
Net-(D32-Pad2): length 19.1
  Top w0.25: v1(56.61,52.26) v1(60.46,52.26)
  Bottom w0.25: D32.2 63.97,55.58 60.65,52.26 v1(60.46,52.26) ; v1(56.61,52.26) 54.3,49.96 MX34.1
Net-(D33-Pad2): length 4.7
  Bottom w0.25: MX35.1 71.01,47.3 D33.2
Net-(D34-Pad2): length 4.1
  Bottom w0.25: D34.2 91.57,49.64 MX36.1
Net-(D35-Pad2): length 4.2
  Bottom w0.25: D35.2 109.11,47.3 MX37.1
Net-(D36-Pad2): length 3.9
  Bottom w0.25: D36.2 128.16,47.3 MX38.1
Net-(D37-Pad2): length 4.1
  Bottom w0.25: MX39.1 147.21,47.3 D37.2
Net-(D38-Pad2): length 4.1
  Bottom w0.25: D38.2 167.77,49.64 MX40.1
Net-(D39-Pad2): length 4.1
  Bottom w0.25: D39.2 186.88,49.64 MX41.1
Net-(D40-Pad2): length 4.5
  Bottom w0.25: MX42.1 204.36,47.3 D40.2
Net-(D41-Pad2): length 4.3
  Bottom w0.25: MX43.1 223.41,47.3 D41.2
Net-(D42-Pad2): length 31.5
  Bottom w0.25: MX44.1 256.71,44.77 258.25,43.22 277.09,43.22 279.94,46.07 D42.2
Net-(D43-Pad2): length 10.5
  Bottom w0.25: MX45.1 6.24,30.59 D43.2
Net-(D44-Pad2): length 6.3
  Bottom w0.25: D44.2 44.36,30.18
Net-(D45-Pad2): length 4.2
  Bottom w0.25: D45.2 61.75,28.52 MX47.1
Net-(D46-Pad2): length 5.4
  Bottom w0.25: MX48.1 81.09,30.59 80.41,29.91 D46.2
Net-(D47-Pad2): length 5
  Bottom w0.25: D47.2 99.46,29.23 100.82,30.59 MX49.1
Net-(D48-Pad2): length 4.3
  Bottom w0.25: MX50.1 118.64,28.25 D48.2
Net-(D49-Pad2): length 4.3
  Bottom w0.25: D49.2 137.62,28.18 MX51.1
Net-(D50-Pad2): length 5.3
  Bottom w0.25: D50.2 156.47,29.59 157.46,30.59 MX52.1
Net-(D51-Pad2): length 5.2
  Bottom w0.25: MX53.1 176.72,30.59 175.64,29.51 D51.2
Net-(D52-Pad2): length 5.4
  Bottom w0.25: MX54.1 195.51,30.59 194.57,29.66 D52.2
Net-(D53-Pad2): length 5.4
  Bottom w0.25: D53.2 213.77,30 214.36,30.59 MX55.1
Net-(D54-Pad2): length 4.4
  Bottom w0.25: MX56.1 258.64,23.46 D54.2
Net-(D55-Pad2): length 52.6
  Bottom w0.25: MX58.1 251.95,32.58 255.2,35.83 266.05,35.83 269.93,31.95 280.65,31.95 282.79,29.82 MX57.1 ; D55.2 263.84,24.35 271.44,31.95
Net-(D56-Pad2): length 36.7
  Top w0.25: v1(20.87,12.72) 20.87,15.73 18.92,17.68 12.32,17.68 9.63,14.99 v1(6.47,14.99)
  Bottom w0.25: v1(20.87,12.72) 20.85,12.7 MX67.1 ; v1(6.47,14.99) 4.3,12.82 MX59.1 3.09,10.34 D56.2
Net-(D57-Pad2): length 35.4
  Top w0.25: v1(44.66,16.92) v1(44.66,10.96)
  Bottom w0.25: v1(44.66,16.92) 42.59,19 37.4,19 33.19,14.79 29.82,14.79 28.11,13.08 MX60.1 25.69,9.12 D57.2 ; v1(44.66,10.96) MX68.1
Net-(D58-Pad2): length 35.9
  Top w0.25: v1(68.47,11.19) v1(68.47,17)
  Bottom w0.25: MX69.1 v1(68.47,11.19) ; D58.2 49.49,9.11 MX61.1 51.92,14.08 56.46,18.62 66.93,18.62 68.47,17.08 v1(68.47,17)
Net-(D59-Pad2): length 41.8
  Bottom w0.25: D59.2 120.83,9.01 MX62.1 128.86,17.04 146.95,17.04 149.44,14.56 MX70.1
Net-(D60-Pad2): length 8.1
  Bottom w0.25: 194.05,11.54 MX63.1 194.8,13.83 D60.2
Net-(D61-Pad2): length 44.3
  Top w0.25: v1(235.1,10.31) 235.1,3.52 232.97,1.38 219.34,1.38 217.39,3.33 v1(217.39,6.54)
  Bottom w0.25: MX71.1 215.62,11.54 D61.2 215.2,8.72 v1(217.39,6.54) ; v1(235.1,10.31) 232.78,7.98 MX64.1
Net-(D62-Pad2): length 32.3
  Top w0.25: v1(243.09,14.87) 244.73,16.51 253.16,16.51 256.6,13.08 v1(256.6,11.71)
  Bottom w0.25: D62.2 237.54,9.97 239.11,11.54 MX72.1 240.04,13.23 241.68,14.87 v1(243.09,14.87) ; v1(256.6,11.71) 256.59,11.7 MX65.1
Net-(D63-Pad2): length 35
  Top w0.25: v1(281.53,12.09) 280.18,13.44 v1(280.18,15.55)
  Bottom w0.25: MX66.1 280.4,10.96 v1(281.53,12.09) ; 279.88,6.46 280.54,7.12 ; MX73.1 263.85,13.35 267.22,16.72 279.01,16.72 v1(280.18,15.55) ; D63.2 261.35,9.84 263.05,11.54
Net-(R3-Pad2): length 13.9
  Bottom w0.25: U2.33 22.78,49.54 25.52,46.8 25.52,40.56 R3.2

## Copper pours and planes (outline as drawn; the poured copper is in the pictures)
GND on Top: 290.35,-6.13 -1.75,-6.13 -1.75,95.47 290.35,95.47
GND on Bottom: 43.29,52.86 36.64,52.86 33.2,56.31 33.21,63.54 43.29,63.54
GND on Bottom: 31.41,51.9 22.26,51.9 22.26,61.05 31.41,61.05
GND on Bottom: 290.35,-6.13 -1.75,-6.13 -1.75,95.47 290.35,95.47

## Text on the board
F.Mask: Paws 60 / Made by HorrorTroll
